# Altium PCB iTOP4412_main_Clasics_v3_2.PcbDoc (part 5 of 7)
Units mil, origin at the board's own origin, x right, y up, seen from the top; angles counter-clockwise.
Board outline 4331.71 x 7481.31 mil, 2 copper layers (TOP, BOTTOM), stack 10.4 mil thick; 260 components, 380 nets, 1380 pads, 1110 vias.
Unrouted connection lines stored in the file: 1.
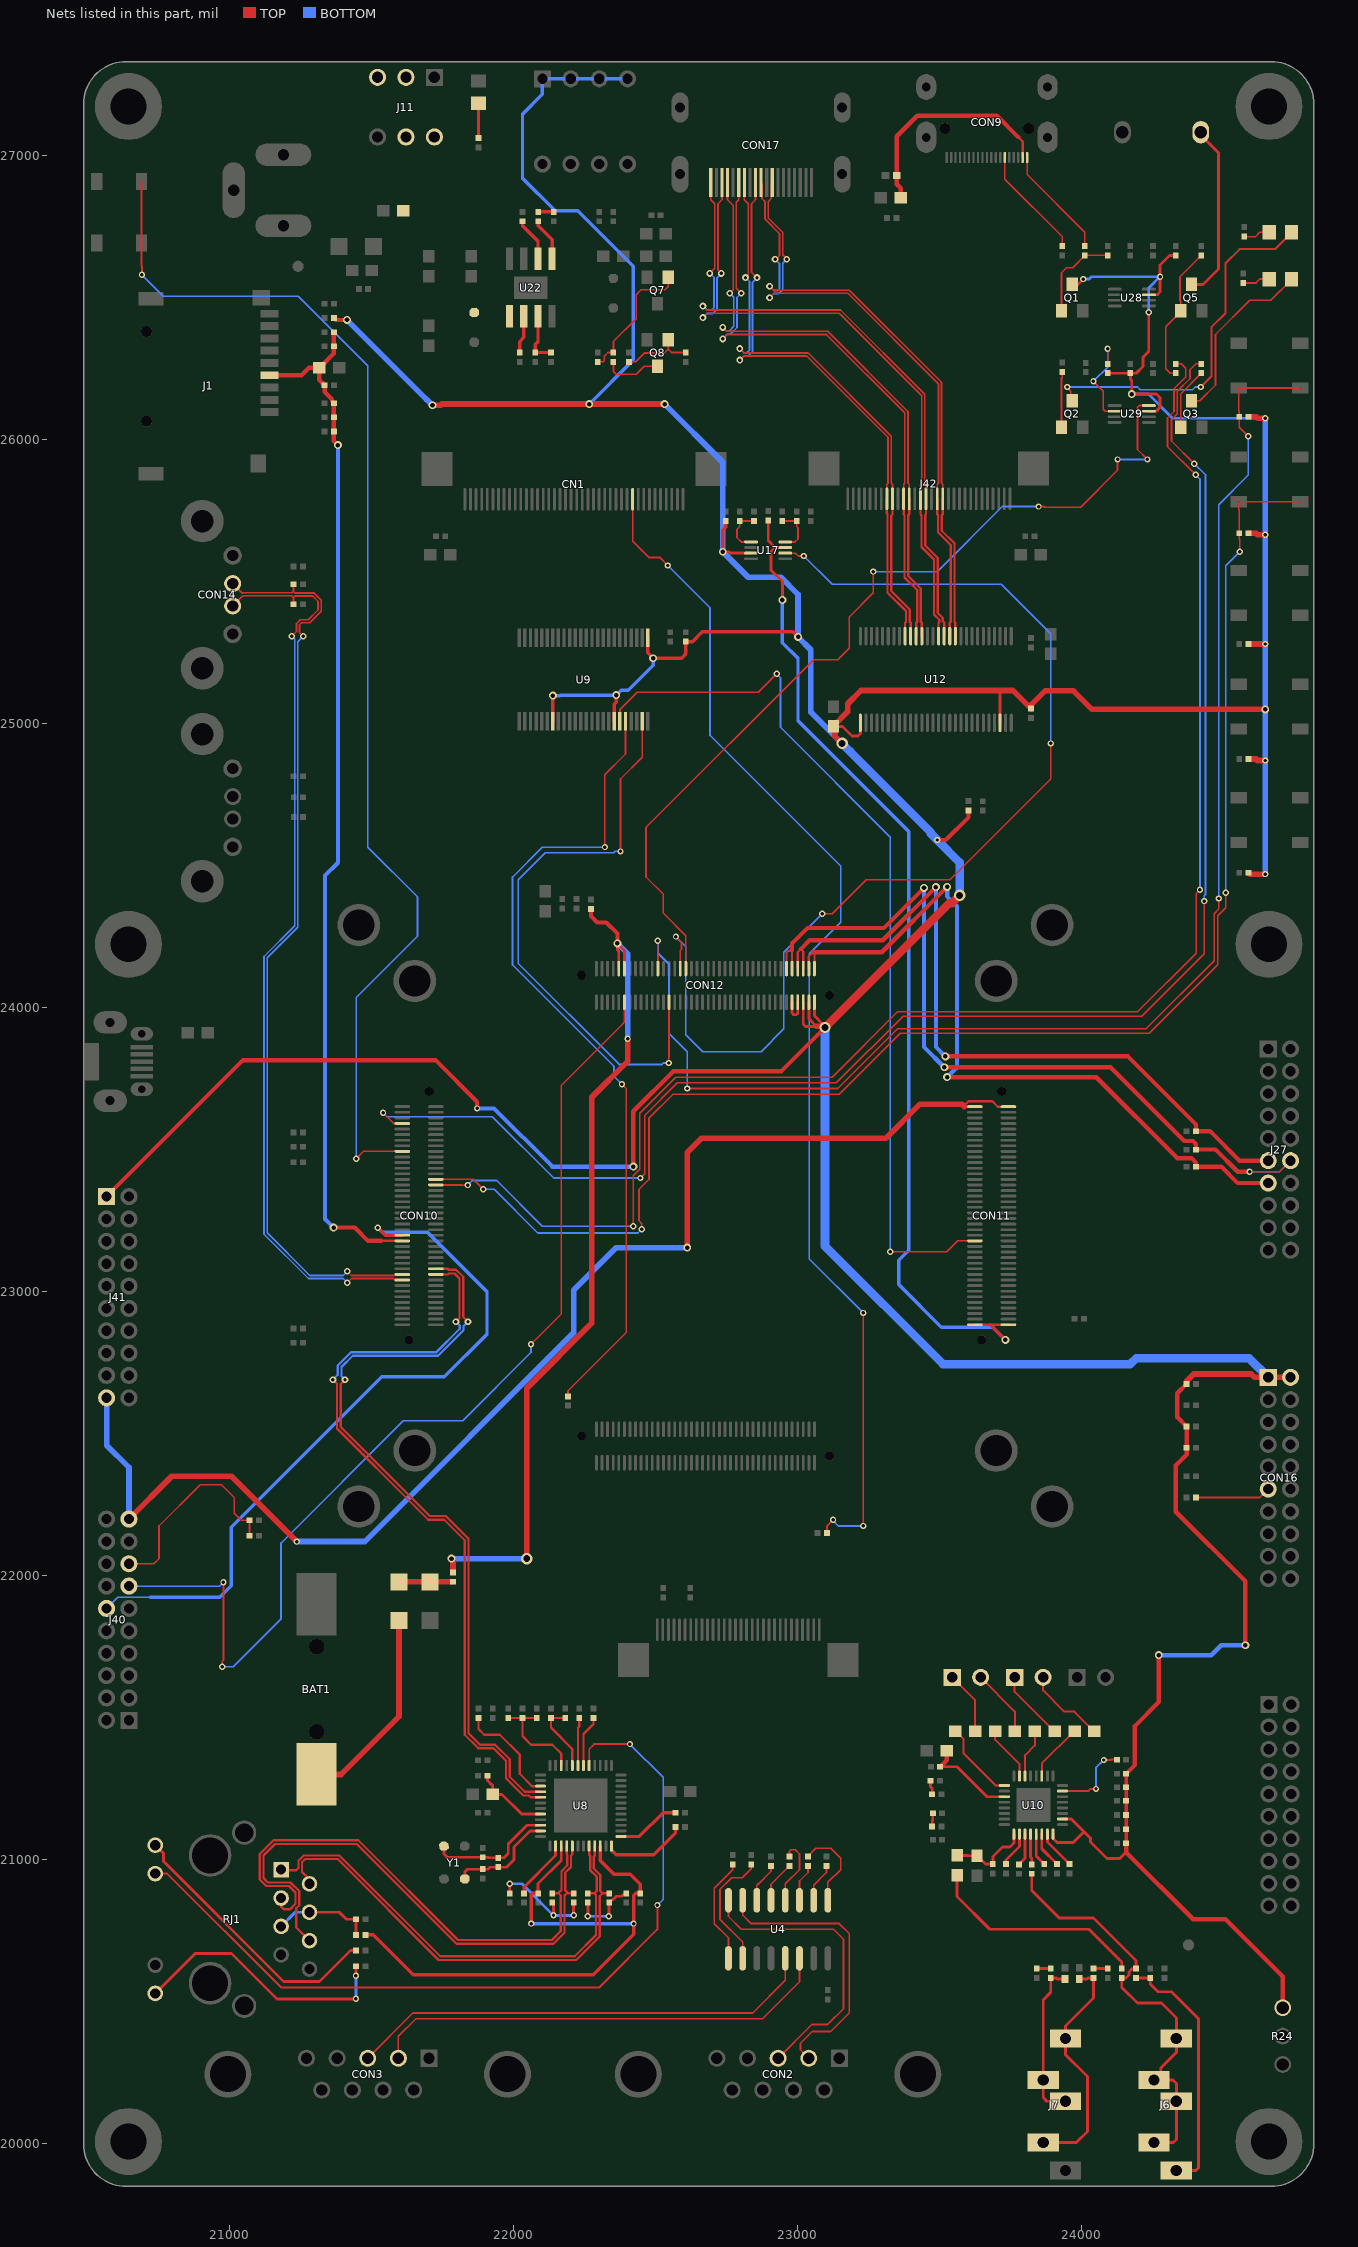
[diagram p5: the nets of this part, all layers, seen from the top]

## Via types
v1: diameter 22, hole 12, TOP to BOTTOM, 637 vias
v2: diameter 28, hole 16, TOP to BOTTOM, 350 vias
v3: diameter 24, hole 12, TOP to BOTTOM, 111 vias
v4: diameter 40, hole 24, TOP to BOTTOM, 12 vias

## Nets (pads, with @x,y where several pads share a name; then routed paths per layer and width w, separated by ;. In a path a pad name is that pad's centre, name@x,y a point inside that pad or via, vN(x,y) a via of type N, cw(c..) or ccw(c..) an arc to the next point about the centre after c; other vN are vias at no path point) (continued)
MD_WAKEUP_AP: CON12.69 J40.13 | length 3709.8
  TOP w6: v1(20975.42,21679.57) 20975.42,21698.57 20979.85,21703.01 v1(20979.85,21977.57) ; v1(22062.85,22815.57) 22168.85,22921.57 22168.85,23726.14 22379.72,23937 22391.4,23949.12 CON12.69@22391.4,24019.86
  BOTTOM w6: J40.13@20647.22,21963.68 20965.96,21963.68 v1(20979.85,21977.57) ; v1(20975.42,21679.57) 21013.85,21679.57 21182.85,21848.57 21182.85,22115.57 21612.85,22545.57 21821.85,22545.57 22062.85,22786.57 v1(22062.85,22815.57)
MIC_N: C55.2 J6.5 R77.1 | length 898.9
  TOP w10: C55.2@24192.85,20584.07 R77.1@24242.85,20584.07 24242.85,20562.57 24269.85,20535.57 24317.85,20535.57 24412.85,20440.57 24412.85,19915.88 24402.94,19905.96 J6.5@24334.82,19905.96
MIC_P: C55.1 CB3.1 J6.1 J6.2 J6.3 J6.4 R76.2 | length 1502.1
  TOP w10: CB3.1@23825.85,20951.07 23825.85,20892.57 23922.85,20795.57 24042.85,20795.57 24192.85,20645.57 C55.1@24192.85,20617.07 24191.35,20615.57 24177.85,20615.57 24167.85,20605.57 24167.85,20594.51 24157.42,20584.07 R76.2@24142.85,20584.07 24142.85,20550.57 24197.85,20495.57 24282.85,20495.57 24334.82,20443.6 J6.1@24334.82,20370.53 24334.82,20322.54 24279.71,20267.42 J6.3@24279.71,20224.86 ; J6.2@24256.08,20004.39 24324.2,20004.39 24334.82,20015.01 J6.4@24334.82,20150.06 24334.82,20212.24 24322.2,20224.86 J6.3@24279.71,20224.86 ; J6.3@24256.08,20224.86 J6.3@24279.71,20224.86
MICBIAS1: FB10.2 R76.1 | length 773.8
  TOP w10: FB10.2@23562.85,20945.57 23562.85,20870.57 23677.85,20755.57 24027.85,20755.57 24142.85,20640.57 R76.1@24142.85,20617.07
MOTOR_PWM: CON10.52 R22.2 | length 5547.8
  TOP w6: CON10.52@21728.01,23376.17 21820.26,23376.17 21820.85,23375.57 v1(21839.85,23375.57) ; v1(22422.85,23230.57) 22422.85,23408.04 22445.85,23431.04 22445.85,23628.57 22572.85,23755.57 23122.85,23755.57 23352.85,23985.57 24197.85,23985.57 24404.42,24192.13 24404.42,24402.13 v1(24417.85,24415.57) ; R22.2@24332.85,26267.07 24351.85,26267.07 24367.85,26251.07 24367.85,26220.57 24326.35,26179.07 24326.35,26099.07 24303.85,26076.57 24303.85,25975.57 v1(24402.85,25876.57)
  BOTTOM w6: v1(21839.85,23375.57) 21855.85,23391.57 21941.85,23391.57 22102.85,23230.57 v1(22422.85,23230.57) ; v1(24402.85,25876.57) 24417.85,25861.57 v1(24417.85,24415.57)
N59696409: FB8.2 J4.1 | length 249.2
  TOP w7: J4.1@23765.85,21642.57 23765.85,21591.61 23904.63,21452.83 FB8.2@23906.63,21452.83
N59696413: FB7.2 J3.2 | length 239.8
  TOP w7: J3.2@23645.85,21642.57 23766.63,21521.79 FB7.2@23766.63,21452.83
N61819639: CB4.2 R78.1 | length 50
  TOP w10: CB4.2@24042.85,20617.07 R78.1@24092.85,20617.07
N61819642: CB5.2 R79.1 | length 50
  TOP w10: R79.1@23842.85,20617.07 CB5.2@23892.85,20617.07
N62435982: C40.1 R43.2 RJ1.4 RJ1.5 | length 349.6
  TOP w10: RJ1.4@21282.85,20815.57 21387.85,20815.57 21412.86,20790.57 C40.1@21446.35,20790.57 R43.2@21446.35,20735.57
  BOTTOM w10: RJ1.5@21182.85,20765.57 21232.85,20815.57 RJ1.4@21282.85,20815.57
N62436086: R48.2 RJ1.9 | length 966.9
  TOP w10: RJ1.9@20739.87,21051.55 20768.5,21022.92 20768.5,20994.92 21191.85,20571.57 21317.85,20571.57 21426.85,20680.57 R48.2@21446.35,20680.57
N62436109: R32.1 RJ1.12 | length 946.2
  TOP w10: RJ1.12@20739.87,20529.59 20880.84,20670.57 21007.85,20670.57 21167.85,20510.57 v1(21446.35,20510.57) ; v1(21446.35,20592.07) R32.1@21446.35,20625.57
  BOTTOM w10: v1(21446.35,20510.57) v1(21446.35,20592.07)
N62514591: FB6.2 J3.1 | length 223.2
  TOP w7: J3.1@23545.85,21642.57 23626.63,21561.79 FB6.2@23626.63,21452.83
N62514656: FB9.2 J4.2 | length 286.3
  TOP w7: J4.2@23865.85,21642.57 23865.85,21596.57 23940.85,21521.57 23975.89,21521.57 24044.63,21452.83 FB9.2@24046.63,21452.83
N62530469: R33.1 U8.2 | length 212.9
  TOP w10: R33.1@22037.85,20882.07 22037.85,20903.57 22149.27,21014.99 U8.2@22149.27,21048.84
N62538255: C35.2 R30.1 R40.1 U8.34 | length 367.1
  TOP w8: R30.1@21982.85,21499.07 R40.1@22032.85,21499.07 ; C35.2@22082.85,21499.07 R40.1@22032.85,21499.07 ; U8.34@22168.96,21332.3 22168.96,21374.47 22137.85,21405.57 22062.85,21405.57 22032.85,21435.57 R40.1@22032.85,21499.07
N62538298: R31.1 R45.1 U8.32 | length 248
  TOP w8: R31.1@22182.85,21499.07 R45.1@22132.85,21499.07 22132.85,21465.57 22208.33,21390.1 U8.32@22208.33,21332.3
N62539930: C36.1 R47.1 U8.47 Y1.1 | length 377.3
  TOP w10: Y1.1@21829.39,20932.89 21829.39,20957.11 21839.35,20967.07 C36.1@21892.85,20967.07 21911.85,20967.07 21918.85,20974.07 R47.1@21947.85,20974.07 21976.35,20974.07 22002.85,21000.57 22002.85,21045.57 22059.27,21101.99 U8.47@22096.12,21101.99
N62539932: C37.1 R47.2 U8.46 Y1.3 | length 440.2
  TOP w10: Y1.3@21756.31,21048.25 21756.31,21020.61 21767.85,21009.07 C37.1@21892.85,21009.07 21911.85,21009.07 21913.85,21007.07 R47.2@21947.85,21007.07 21967.85,21007.07 21982.52,21021.74 21982.52,21055.24 22048.96,21121.67 U8.46@22096.12,21121.67
N62559580: C29.2 R34.2 R35.2 | length 395.1
  TOP w10: C29.2@21987.85,20882.07 v1(21987.85,20915.57) ; R34.2@22137.85,20849.07 22141.85,20845.07 v1(22141.85,20804.57) ; v1(22212.85,20804.57) R35.2@22212.85,20849.07
  BOTTOM w10: v1(21987.85,20915.57) 22030.85,20915.57 v1(22141.85,20804.57) v1(22212.85,20804.57)
N62559584: C28.2 R37.2 R38.2 | length 243.1
  TOP w10: v1(22262.85,20801.57) R37.2@22262.85,20849.07 ; v1(22336.85,20801.57) 22336.85,20822.57 22337.85,20823.57 R38.2@22337.85,20849.07 22349.35,20860.57 22352.41,20860.57 22363.41,20871.57 22380.85,20871.57 22391.35,20882.07 C28.2@22397.85,20882.07
  BOTTOM w10: v1(22262.85,20801.57) v1(22336.85,20801.57)
N63047643: C26.1 C27.1 U8.44 | length 269.7
  TOP w10: C26.1@21909.35,21295.57 21909.35,21279.07 21927.85,21260.57 C27.1@21927.85,21230.57 21960.85,21230.57 22030.38,21161.04 U8.44@22096.12,21161.04
N63258448: LED1.1 R6.1 | length 122.2
  TOP w10: R6.1@21877.85,27062.07 LED1.1@21877.85,27184.23
N63770948: R150.2 U29.6 | length 345.1
  TOP w6: v1(24042.85,26205.57) 24077.85,26170.57 24077.85,26106.76 24084.21,26100.4 U29.6@24117.81,26100.4 ; R150.2@24092.85,26267.07 v1(24092.85,26320.57)
  BOTTOM w6: v1(24042.85,26205.57) 24092.85,26255.57 v1(24092.85,26320.57)
N63771591: Q1.1 R152.1 R154.2 | length 321.8
  TOP w6: Q1.1@23930.35,26454.32 23930.35,26588.07 23947.85,26605.57 23969.85,26605.57 24012.85,26648.57 R152.1@24012.85,26649.07 R154.2@24092.85,26649.07
N63771709: CON9.19 R152.2 | length 395.9
  TOP w6: 23809.58,26955.57 23809.58,26933.84 24012.85,26730.57 R152.2@24012.85,26682.07 ; 23809.59,26955.58 CON9.19@23809.59,26993.78
N63771766: C106.1 CON9.18 FB17.2 | length 789.4
  TOP w8: 23777.85,27065.57 23793.83,27049.59 23793.83,27023.78 CON9.18@23793.84,26993.78
  TOP w15: C106.1@23364.85,26851.57 23364.85,26885.07 23350.54,26899.38 FB17.2@23350.54,26930.57 23350.54,27068.26 23422.85,27140.57 23702.85,27140.57 23777.85,27065.57
N63771954: CON9.14 R151.2 | length 395.4
  TOP w6: CON9.14@23730.85,26993.78 23730.84,26917.58 23932.85,26715.57 R151.2@23932.85,26682.07
N63778620: CON3.3 U4.13 | length 1661.2
  TOP w6: CON3.3@21487.85,20301.48 21646.95,20460.57 22842.85,20460.57 22957.85,20575.57 U4.13@22957.85,20653.21
N63778626: CON3.2 U4.14 | length 1651.3
  TOP w6: CON3.2@21595.73,20301.48 21595.73,20378.44 21657.85,20440.57 22877.85,20440.57 23007.85,20570.57 U4.14@23007.85,20653.21
N63779049: C15.2 U4.5 | length 148.1
  TOP w6: U4.5@22907.85,20857.93 22907.85,20913.57 22972.85,20978.57 C15.2@22972.85,20979.07
N63779051: C15.1 U4.4 | length 245.1
  TOP w6: U4.4@22957.85,20857.93 22957.85,20915.57 23007.85,20965.57 23007.85,21020.57 22992.85,21035.57 22977.85,21035.57 22972.85,21030.57 C15.1@22972.85,21012.07
N63779085: C14.1 U4.3 | length 133.6
  TOP w6: U4.3@23007.85,20857.93 23007.85,20925.57 23037.85,20955.57 C14.1@23037.85,20979.07
N63779087: C14.2 U4.1 | length 307.9
  TOP w6: C14.2@23037.85,21012.07 23037.85,21012.57 23065.85,21040.57 23117.85,21040.57 23152.85,21005.57 23152.85,20965.57 23107.85,20920.57 U4.1@23107.85,20857.93
N63779244: C12.2 U4.2 | length 139.8
  TOP w6: U4.2@23057.85,20857.93 23057.85,20910.57 23102.85,20955.57 C12.2@23102.85,20979.07
N63779250: C13.1 U4.6 | length 142.2
  TOP w6: U4.6@22857.85,20857.93 22857.85,20910.24 22862.19,20914.57 22862.85,20914.57 22907.85,20959.57 C13.1@22907.85,20979.07
N63787841: C52.1 U10.7 | length 138
  TOP w10: U10.7@23880.84,21090.47 23880.84,21063.08 23940.58,21003.35 23941.08,21003.35 23958.85,20985.57 C52.1@23958.85,20985.07
N63787846: C51.1 U10.6 | length 127.6
  TOP w10: U10.6@23861.16,21090.47 23861.16,21039.27 23914.85,20985.57 C51.1@23914.85,20985.07
N63787851: C50.1 U10.5 | length 117.2
  TOP w10: U10.5@23841.47,21090.47 23841.47,21013.95 23869.85,20985.57 C50.1@23869.85,20985.07
N63787856: C49.1 U10.2 | length 125.1
  TOP w10: C49.1@23734.85,20985.07 23734.85,20999.57 23782.42,21047.13 U10.2@23782.42,21090.47
N63787861: C48.1 U10.3 | length 115.2
  TOP w10: C48.1@23780.85,20984.07 23780.85,20984.57 23802.1,21005.82 U10.3@23802.1,21090.47
N63788346: C53.1 C54.1 FB10.1 U10.1 | length 289.9
  TOP w10: FB10.1@23562.85,21015.57 23600.85,21015.57 23601.85,21014.57 C53.1@23632.85,21014.57 23662.35,20985.07 C54.1@23688.85,20985.07 23688.85,21011.57 23722.85,21045.57 23748.83,21045.57 23762.73,21059.47 U10.1@23762.73,21090.47
N63789161: C46.1 C47.1 U10.27 | length 336
  TOP w10: C47.1@23503.85,21327.57 23562.85,21327.57 23668.06,21222.36 U10.27@23729.27,21222.36
  TOP w15: C47.1@23503.35,21327.57 23503.85,21327.57 23523.4,21347.12 23523.4,21347.62 23526.85,21351.07 C46.1@23526.85,21384.57
N63848469: CON2.3 U4.8 | length 1042.6
  TOP w6: U4.8@22757.85,20857.93 22757.85,20800.57 22802.85,20755.57 23127.85,20755.57 23162.85,20720.57 23162.85,20475.57 23107.85,20420.57 23051.95,20420.57 CON2.3@22932.85,20301.48
N63848478: CON2.2 U4.7 | length 1014.3
  TOP w6: U4.7@22807.85,20857.93 22807.85,20805.63 22837.91,20775.57 23147.85,20775.57 23182.85,20740.57 23182.85,20460.57 23117.85,20395.57 23052.85,20395.57 23011.74,20354.45 23011.74,20330.47 CON2.2@23040.73,20301.48
N63947483: CB4.1 J7.1 J7.2 L2.1 | length 836.3
  TOP w10: J7.2@23866.08,20004.39 23982.67,20004.39 24021.85,20043.57 24021.85,20236.57 23944.82,20313.6 J7.1@23944.82,20370.53 23944.82,20415.03 24042.85,20513.06 CB4.1@24042.85,20584.07 24023.85,20584.07 24020.67,20580.88 L2.1@23992.85,20580.88
N63947498: CB5.1 J7.3 J7.4 L3.1 | length 567.8
  TOP w10: L3.1@23942.86,20580.88 23915.05,20580.88 23911.85,20584.07 CB5.1@23892.85,20584.07 23892.85,20533.57 23866.08,20506.8 J7.3@23866.08,20224.86 23866.08,20162.68 23878.71,20150.06 J7.4@23944.82,20150.06
N64018538: CB3.2 U10.4 | length 108.1
  TOP w10: U10.4@23821.79,21090.47 23821.79,21009.64 23825.85,21005.57 CB3.2@23825.85,20984.07
N64018809: R72.2 U10.15 | length 280.5
  TOP w7: U10.15@23933.99,21242.05 24024.83,21242.05 24032.35,21249.57 v1(24051.85,21249.57) ; v1(24079.85,21351.57) 24104.35,21351.57 24105.35,21352.57 R72.2@24125.35,21352.57
  BOTTOM w7: v1(24051.85,21249.57) 24051.85,21323.57 v1(24079.85,21351.57)
N64118847: R20.2 U4.9 | length 378.5
  TOP w6: U4.9@22757.85,20653.21 22757.85,20725.57 22707.85,20775.57 22707.85,20899.57 22772.85,20964.57 R20.2@22772.85,20984.07
N64118881: R21.2 U4.10 | length 431.5
  TOP w6: U4.10@22807.85,20653.21 22807.85,20710.57 22727.85,20790.57 22727.85,20895.57 22769.1,20936.82 22806.6,20936.82 22837.85,20968.07 R21.2@22837.85,20984.07
N64285563: R36.2 U8.30 | length 181.3
  TOP w8: U8.30@22247.7,21332.3 22247.7,21443.41 22282.85,21478.57 R36.2@22282.85,21499.07
N64285566: R39.2 U8.13 | length 226.3
  TOP w12: U8.13@22379.59,21082.3 22444.59,21082.3 22527.85,21165.57 R39.2@22571.35,21165.57
N64285571: R41.2 U8.12 | length 300.5
  TOP w12: U8.12@22346.12,21048.84 22346.12,21033.84 22362.39,21017.57 22495.35,21017.57 22571.35,21093.57 R41.2@22571.35,21115.57
N64285583: R42.2 U8.31 | length 168.8
  TOP w8: U8.31@22228.01,21332.3 22228.01,21465.73 22232.85,21470.57 R42.2@22232.85,21499.07
N64285586: R44.2 U8.39 | length 379.8
  TOP w8: R44.2@21877.85,21499.07 21877.85,21460.57 21897.85,21440.57 21952.85,21440.57 22022.85,21370.57 22022.85,21302.74 22066.12,21259.47 U8.39@22096.12,21259.47
N64456718: LED2.1 R105.1 | length 94.1
  TOP w6: R105.1@24573.85,26715.07 24613.39,26715.07 24628.89,26730.57 LED2.1@24661.52,26730.57
N64456720: LED2.2 Q2.3 | length 1285.1
  TOP w6: v1(23950.35,26185.57) 23950.35,26183.07 23962.85,26170.57 23962.85,26142.32 Q2.3@23968.35,26136.82
  TOP w7: v1(24420.85,26185.57) 24457.85,26222.57 24457.85,26395.57 24507.85,26445.57 24507.85,26620.57 24557.85,26670.57 24682.22,26670.57 24740.26,26728.6 LED2.2@24740.26,26730.57
  BOTTOM w6: v1(23950.35,26185.57) 24197.85,26185.57 24207.85,26175.57 24391.85,26175.57 24401.85,26185.57 v1(24420.85,26185.57)
N64456880: LED3.1 R106.1 | length 97.3
  TOP w6: R106.1@24569.85,26552.07 24615.39,26552.07 24628.89,26565.57 LED3.1@24661.52,26565.57
N64456888: LED3.2 Q3.3 | length 634.9
  TOP w6: Q3.3@24388.35,26136.82 24417.04,26136.82 24472.85,26192.64 24472.85,26370.57 24592.85,26490.57 24667.22,26490.57 24740.26,26563.6 LED3.2@24740.26,26565.57
N64479193: Q5.1 R22.1 R23.1 | length 494.5
  TOP w6: R22.1@24332.85,26234.07 24313.85,26234.07 24297.85,26250.07 24297.85,26397.88 24350.35,26450.38 Q5.1@24350.35,26454.32 24350.35,26486.94 24347.85,26489.44 24347.85,26573.57 24422.85,26648.57 R23.1@24422.85,26649.07
N64479733: PZ1.- Q5.3 | length 624.5
  TOP w10: Q5.3@24388.35,26546.82 24429.1,26546.82 24482.85,26600.57 24482.85,27010.57 24450.88,27042.54 24450.88,27042.66 24420.81,27072.73 PZ1.-@24420.81,27082.57
N64486785: D1.2 D3.2 R13.2 | length 190.2
  TOP w20: D3.2@21597.85,21978.56 D1.2@21707.85,21978.56 21768.34,21978.56 21768.85,21979.07 R13.2@21787.85,21979.07
N64486788: BAT1.1 D3.1 | length 712.5
  TOP w20: BAT1.1@21307.85,21300.57 21393.85,21300.57 21597.85,21504.57 D3.1@21597.85,21842.58
N64619122: Q2.1 R1.1 | length 195.8
  TOP w6: Q2.1@23930.35,26044.32 23930.35,26217.07 23932.85,26219.57 R1.1@23932.85,26239.07
N64619124: Q3.1 R2.1 | length 219.8
  TOP w6: Q3.1@24350.35,26044.32 24350.35,26161.07 24422.85,26233.57 R2.1@24422.85,26234.07
N64621021: J11.3 J11.6
N64621644: F1.1 J11.2 J11.5
N64648013: CON16.11 R65.2 | length 266.5
  TOP w6: R65.2@24404.35,22275.57 24586.85,22275.57 24586.92,22275.5 24628.78,22275.5 CON16.11@24658.48,22305.2
N64716471: C148.1 R50.1 U17.8 | length 164.9
  TOP w6: C148.1@22947.85,25714.07 R50.1@22997.85,25714.07 22997.85,25694.57 23002.85,25689.57 23002.85,25650.57 22992.38,25640.1 U17.8@22957.89,25640.1
N64716477: C149.1 R49.1 U17.1 | length 169
  TOP w6: U17.1@22837.81,25640.1 22803.32,25640.1 22787.85,25655.57 22787.85,25684.57 22797.85,25694.57 C149.1@22797.85,25714.07 R49.1@22847.85,25714.07
N64855559: R25.1 U9.44 | length 2920
  TOP w6: R25.1@22192.85,22632.07 22192.85,22651.57 22397.85,22856.57 22397.85,23715.57 v1(22382.85,23730.57) ; v1(22322.85,24565.57) 22322.85,24820.57 22395.5,24893.21 U9.44@22395.5,25007.93
  BOTTOM w6: v1(22322.85,24565.57) 22102.85,24565.57 21997.85,24460.57 21997.85,24150.57 22354.85,23793.57 22354.85,23758.57 v1(22382.85,23730.57)
N64855589: CN1.31 R51.2 | length 4237.7
  TOP w6: CN1.31@22420.59,25790.33 22420.59,25642.83 22477.85,25585.57 22516.14,25585.57 v1(22544.5,25557.21) ; v1(23232.85,22175.57) v1(23232.85,22925.57)
  TOP w7: R51.2@23104.35,22150.57 23104.35,22175.2 v1(23126.29,22197.13)
  BOTTOM w6: v1(22544.5,25557.21) 22692.85,25408.86 22692.85,24958.86 23152.85,24498.86 23152.85,24300.57 23042.85,24190.57 23042.85,23115.57 v1(23232.85,22925.57) ; v1(23126.29,22197.13) 23126.29,22194.13 23144.85,22175.57 v1(23232.85,22175.57)
N64871613: C95.1 R3.1 | length 55
  TOP w12: R3.1@22087.85,26802.07 C95.1@22142.85,26802.07
N64895402: R133.1 U22.6 | length 133.4
  TOP w12: R133.1@22022.85,26307.07 22022.85,26345.57 22037.35,26360.07 U22.6@22037.35,26434.51
N64896281: C96.1 U22.2 | length 155
  TOP w12: C96.1@22032.85,26769.07 22032.85,26753.57 22087.35,26699.07 U22.2@22087.35,26636.63
N64899462: L7.1 U22.5
N64899626: R3.2 U22.1 | length 152.9
  TOP w12: R3.2@22087.85,26769.07 22087.85,26753.57 22137.35,26704.07 U22.1@22137.35,26636.63
N64900831: R131.2 R135.1 U22.7 | length 186.4
  TOP w12: U22.7@22087.35,26434.51 22087.35,26345.07 22077.85,26335.57 R131.2@22077.85,26307.07 R135.1@22132.85,26307.07
N64946554: Q8.1 R7.1 R11.1 | length 256.4
  TOP w6: R11.1@22407.85,26274.07 22431.35,26274.07 22462.85,26305.57 22532.85,26305.57 22542.85,26315.57 22542.85,26315.95 22545.85,26318.95 ; Q8.1@22545.85,26351.57 22545.85,26318.95 ; R7.1@22607.85,26307.07 22557.73,26307.07 22545.85,26318.95
N64946809: Q7.1 R8.2 R9.1 | length 472.1
  TOP w6: R8.2@22297.85,26274.07 22316.85,26274.07 22321.13,26278.34 22321.13,26294.34 22333.85,26307.07 R9.1@22352.85,26307.07 22352.85,26345.57 22432.85,26425.57 22432.85,26510.57 22449.85,26527.57 22534.48,26527.57 22545.85,26538.95 Q7.1@22545.85,26571.57
N64946818: Q8.3 R9.2 | length 204.4
  TOP w6: R9.2@22352.85,26274.07 22352.85,26240.57 22362.85,26230.57 22432.85,26230.57 22461.35,26259.07 Q8.3@22507.85,26259.07
N64971080: J40.15 R27.2 R28.2 | length 745.7
  TOP w6: J40.15@20647.22,22042.42 20734.7,22042.42 20752.85,22060.57 20752.85,22175.57 20897.85,22320.57 20972.85,22320.57 21017.85,22275.57 21017.85,22220.57 21042.85,22195.57 R28.2@21071.35,22195.57 R27.2@21071.35,22140.57
N596957881: CB1.2 R73.1 | length 50.5
  TOP w10: R73.1@23469.35,21278.57 23469.35,21257.57 23475.35,21251.57 CB1.2@23475.35,21230.57
N596958051: CB2.2 R74.1 | length 46.8
  TOP w10: R74.1@23475.35,21117.57 23475.35,21138.57 23477.35,21140.57 CB2.2@23477.35,21163.57
PWRDN_VCM: CON11.50 U9.43 | length 3160.3
  TOP w6: U9.43@22375.8,25007.93 22375.8,25049.43 22436.94,25110.57 22862.85,25110.57 v1(22927.85,25175.57) ; v1(23327.85,23140.57) 23525.88,23140.57 23564.63,23179.31 CON11.50@23625.65,23179.31
  BOTTOM w6: v1(22927.85,25175.57) 22941.29,25162.13 22941.29,24987.13 23327.85,24600.57 v1(23327.85,23140.57)
PWRON: CON10.63 | length 4383.5
  TOP w6: 20691.59,26908.84 20691.59,26692.3 20691.59,26611.83 20692.85,26610.57 v1(20692.85,26580.57) ; v1(21447.21,23468.57) 21472.92,23494.28 CON10.63@21609.9,23494.28
  BOTTOM w6: v1(20692.85,26580.57) 20767.85,26505.57 21242.85,26505.57 21487.85,26260.57 21487.85,24565.57 21662.85,24390.57 21662.85,24251.57 21447.21,24035.93 v1(21447.21,23468.57)
RX+: R34.1 RJ1.3 U8.4 | length 1945.9
  TOP w8: RJ1.3@21182.85,20865.57 21182.85,20835.57 21192.85,20825.57 21214.37,20825.57 21233.85,20845.06 21233.85,20884.57 21210.85,20907.57 21130.85,20907.57 21107.85,20930.57 21107.85,21020.57 21155.85,21068.57 21454.85,21068.57 21805.85,20717.57 22136.38,20717.57 22167.85,20749.04 22167.85,20874.57 22160.35,20882.07 22157.85,20882.07 ; R34.1@22137.85,20882.07 22157.85,20882.07 ; U8.4@22188.64,21048.84 22188.64,21018.84 22190.64,21016.84 22190.64,20980.57 22169.85,20959.78 22169.85,20894.07 22157.85,20882.07
RX-: R35.1 RJ1.6 U8.5 | length 2008.9
  TOP w8: RJ1.6@21282.85,20715.57 21236.34,20762.09 21236.34,20829.16 21246.85,20839.67 21246.85,20889.96 21216.24,20920.57 21136.24,20920.57 21120.85,20935.96 21120.85,21015.19 21161.24,21055.57 21449.47,21055.57 21800.47,20704.57 22141.77,20704.57 22180.85,20743.66 22180.85,20874.57 22188.35,20882.07 22194.85,20882.07 ; U8.5@22208.33,21048.84 22208.33,21018.84 22203.64,21014.15 22203.64,20975.19 22182.85,20954.4 22182.85,20894.07 22194.85,20882.07 ; R35.1@22212.85,20882.07 22194.85,20882.07
RXCLK+: CON17.10 J42.13 U12.39 | length 2120.3
  TOP w6: CON17.10@22872.85,26904.84 22876.03,26901.67 22876.03,26849.11 22886.85,26838.28 22886.85,26776.01 22937.85,26725.01 22937.85,26647.57 22925.85,26635.57 v3(22922.35,26635.57) ; v3(22902.85,26540.57) 22916.85,26526.57 23183.41,26526.57 23508.15,26201.83 23508.15,25847.13 23512.49,25842.79 J42.13@23512.49,25791.89
  TOP w8: J42.13@23512.49,25791.89 23512.49,25737.57 23508.85,25733.93 23508.85,25679.57 23553.41,25635.01 23553.41,25358.58 23556.75,25355.24 U12.39@23556.75,25308.44
  BOTTOM w6: v3(22902.85,26540.57) 22917.85,26525.57 22930.85,26525.57 22937.85,26532.57 22937.85,26620.07 v3(22922.35,26635.57)
RXCLK-: CON17.12 J42.14 U12.40 | length 2117.4
  TOP w6: v3(22902.85,26500.07) 22918.36,26515.57 23178.85,26515.57 23497.15,26197.28 23497.15,25847.13 23492.81,25842.79 J42.14@23492.81,25791.89 ; CON17.12@22912.22,26904.84 22909.05,26901.67 22909.05,26849.11 22897.85,26837.91 22897.85,26780.57 22948.85,26729.57 22948.85,26650.57 22962.85,26636.57 v3(22962.85,26635.57)
  TOP w8: J42.14@23492.81,25791.89 23492.81,25737.57 23495.85,25734.52 23495.85,25674.19 23540.41,25629.63 23540.41,25358.58 23537.07,25355.24 U12.40@23537.07,25308.44
  BOTTOM w6: v3(22902.85,26500.07) 22917.36,26514.57 22935.41,26514.57 22948.85,26528.01 22948.85,26621.57 v3(22962.85,26635.57)
RXIN0+: CON17.7 J42.22 U12.47 | length 2047
  TOP w6: v3(22797.85,26320.57) 22812.85,26305.57 23037.85,26305.57 23330.98,26012.44 23330.98,25847.13 23335.33,25842.79 J42.22@23335.33,25791.89 ; CON17.7@22813.8,26904.84 22813.8,26844.42 22827.98,26830.24 22827.98,26580.7 v3(22817.85,26570.57)
  TOP w8: J42.22@23335.33,25791.89 23335.33,25737.57 23330.85,25733.1 23330.85,25466.96 23395.93,25401.88 23395.93,25358.58 23399.27,25355.24 U12.47@23399.27,25308.44
  BOTTOM w6: v3(22797.85,26320.57) 22812.85,26305.57 22822.85,26305.57 22831.85,26314.57 22831.85,26556.82 22818.1,26570.57 v3(22817.85,26570.57)
RXIN0-: CON17.9 J42.23 U12.48 | length 2049.9
  TOP w6: v3(22797.85,26280.07) 22807.36,26289.57 22807.83,26289.57 22812.83,26294.57 23033.3,26294.57 23319.98,26007.88 23319.98,25847.13 23315.64,25842.79 J42.23@23315.64,25791.89 ; CON17.9@22853.17,26904.84 22853.17,26844.42 22838.98,26830.24 22838.98,26589.94 v3(22858.36,26570.57)
  TOP w8: J42.23@23315.64,25791.89 23315.64,25740.7 23317.85,25738.49 23317.85,25461.57 23382.93,25396.5 23382.93,25358.58 23379.59,25355.24 U12.48@23379.59,25308.44
  BOTTOM w6: v3(22797.85,26280.07) 22812.36,26294.57 22827.41,26294.57 22842.85,26310.01 22842.85,26554.82 22858.36,26570.32 v3(22858.36,26570.57)
RXIN1+: CON17.4 J42.19 U12.45 | length 2164.5
  TOP w6: v3(22737.85,26395.57) 22751.85,26381.57 23107.41,26381.57 23390.04,26098.94 23390.04,25847.13 23394.38,25842.79 J42.19@23394.38,25791.89 ; CON17.4@22754.74,26904.84 22754.74,26844.42 22774.35,26824.81 22774.35,26527.57 v3(22762.35,26515.57)
  TOP w8: J42.19@23394.38,25791.89 23394.38,25737.57 23391.04,25734.23 23391.04,25520.39 23435.3,25476.13 23435.3,25358.58 23438.64,25355.24 U12.45@23438.64,25308.44
  BOTTOM w6: v3(22737.85,26395.57) 22751.11,26382.31 22759.6,26382.31 22776.85,26399.57 22776.85,26501.07 v3(22762.35,26515.57)
RXIN1-: CON17.6 J42.20 U12.46 | length 2164.3
  TOP w6: v3(22737.85,26355.07) 22753.36,26370.57 23102.85,26370.57 23379.04,26094.38 23379.04,25901.39 ; CON17.6@22794.11,26904.84 22794.11,26844.42 22785.35,26835.66 22785.35,26533.07 v3(22802.85,26515.57) ; J42.20@23374.7,25791.89 23374.7,25842.79 23379.04,25847.13 23379.04,25901.3
  TOP w8: J42.20@23374.7,25791.89 23374.7,25737.57 23378.04,25734.23 23378.04,25515 23422.3,25470.74 23422.3,25358.58 23418.96,25355.24 U12.46@23418.96,25308.44
  BOTTOM w6: v3(22737.85,26355.07) 22754.1,26371.31 22764.15,26371.31 22787.85,26395.01 22787.85,26500.57 v3(22802.85,26515.57)
RXIN2+: CON17.1 J42.16 U12.41 | length 2300.2
  TOP w6: v3(22667.85,26470.57) 22681.85,26456.57 23152.41,26456.57 23449.1,26159.89 23449.1,25847.13 23453.44,25842.79 J42.16@23453.44,25791.89 ; v3(22692.35,26585.57) 22709.87,26603.09 22709.87,26830.24 22695.69,26844.42 CON17.1@22695.69,26904.84
  TOP w8: J42.16@23453.44,25791.89 23453.44,25737.57 23450.85,25734.99 23450.85,25627.57 23494.85,25583.57 23494.85,25389.57 23512.85,25371.57 23512.85,25359.77 23517.38,25355.24 U12.41@23517.38,25308.44
  BOTTOM w6: v3(22667.85,26470.57) 22682.85,26455.57 22697.85,26455.57 22706.85,26464.57 22706.85,26571.07 v3(22692.35,26585.57)
RXIN2-: CON17.3 J42.17 U12.42 | length 2298.1
  TOP w6: v3(22667.85,26430.07) 22683.36,26445.57 23147.85,26445.57 23438.1,26155.33 23438.1,25847.13 23433.75,25842.79 J42.17@23433.75,25791.89 ; v3(22732.85,26585.57) 22720.87,26597.55 22720.87,26830.24 22735.06,26844.42 CON17.3@22735.06,26904.84
  TOP w8: J42.17@23433.75,25791.89 23433.75,25737.57 23437.85,25733.46 23437.85,25622.19 23481.85,25578.19 23481.85,25384.19 23499.85,25366.19 23499.85,25356.38 23497.7,25354.23 U12.42@23497.7,25308.44
  BOTTOM w6: v3(22667.85,26430.07) 22682.36,26444.57 22702.41,26444.57 22717.85,26460.01 22717.85,26570.57 v3(22732.85,26585.57)
SIM_DET: CON10.54 R15.2 | length 5324.2
  TOP w6: CON10.54@21728.01,23395.84 21859.58,23395.84 v1(21894.85,23360.57) ; v1(22452.85,23220.57) 22452.85,23239.57 22442.85,23249.57 22442.85,23360.57 22477.85,23395.57 22477.85,23610.57 22562.85,23695.57 23147.85,23695.57 23362.85,23910.57 24239.57,23910.57 24480.85,24151.86 24480.85,24323.57 24508.85,24351.57 v1(24508.85,24404.57) ; v1(24557.85,25605.57) 24557.85,25650.07 24556.35,25651.57 R15.2@24556.35,25670.57 24556.35,25751.38 24554.59,25753.15 24554.59,25781.83 24771.12,25781.83
  BOTTOM w6: v1(21894.85,23360.57) 21932.85,23360.57 22086.29,23207.13 22439.42,23207.13 v1(22452.85,23220.57) ; v1(24508.85,24404.57) 24508.85,25556.57 v1(24557.85,25605.57)
SPEED: RJ1.10 U8.29 | length 2936.2
  TOP w6: U8.29@22267.38,21332.3 22267.38,21390.1 22284.85,21407.57 v1(22410.85,21407.57)
  TOP w7: RJ1.10@20739.87,20951.55 20781.87,20951.55 21182.85,20550.57 22302.85,20550.57 22507.85,20755.57 v1(22507.85,20840.57)
  BOTTOM w6: v1(22410.85,21407.57) 22527.85,21290.57 22527.85,20860.57 v1(22507.85,20840.57)
SPKOUTLN: FB6.1 U10.25 | length 281.1
  TOP w7: FB6.1@23556.63,21452.83 23558.63,21452.83 23585.35,21426.12 23585.35,21376.08 23699.69,21261.73 U10.25@23729.27,21261.73
SPKOUTLP: FB7.1 U10.23 | length 193.2
  TOP w7: FB7.1@23696.63,21452.83 23696.63,21423.33 23782.42,21337.55 U10.23@23782.42,21295.2
SPKOUTRN: FB8.1 U10.22 | length 171.9
  TOP w7: U10.22@23802.1,21295.2 23802.1,21368.82 23836.63,21403.35 FB8.1@23836.63,21452.83
SPKOUTRP: FB9.1 U10.19 | length 206.6
  TOP w7: U10.19@23861.16,21295.2 23861.16,21339.36 23974.63,21452.83 FB9.1@23976.63,21452.83
TP1_EN: CON12.50 U17.6 | length 3911.6
  TOP w6: v1(22572.85,24250.57) 22592.85,24230.57 22592.85,24206.26 22588.25,24201.65 CON12.50@22588.25,24137.98 ; U17.6@22957.89,25600.73 22993.69,25600.73 23003.85,25590.57 v1(23022.85,25590.57) ; v1(23087.85,24330.57) 23122.85,24330.57 23242.85,24450.57 23537.85,24450.57 23892.85,24805.57 v1(23892.85,24930.57)
  BOTTOM w6: v1(22572.85,24250.57) 22607.85,24215.57 22607.85,23905.57 22667.85,23845.57 22872.85,23845.57 22952.85,23925.57 22952.85,24195.57 v1(23087.85,24330.57) ; v1(23022.85,25590.57) 23122.85,25490.57 23718.85,25490.57 23892.85,25316.57 v1(23892.85,24930.57)
TP1_INT: CON12.48 U29.4 | length 3229.6
  TOP w6: CON12.48@22607.93,24137.98 22607.93,24253.53 22527.85,24333.6 22527.85,24400.57 22467.85,24460.57 22467.85,24635.57 23057.85,25225.57 23142.85,25225.57 23182.85,25265.57 23182.85,25375.57 23267.85,25460.57 v1(23267.85,25535.57) ; v1(23849.85,25764.57) 23868.85,25764.57 23870.85,25762.57 23997.85,25762.57 24127.85,25892.57 v1(24127.85,25930.57) ; v1(24232.85,25930.57) 24197.85,25965.57 24197.85,26113.67 24204.28,26120.1 U29.4@24237.89,26120.1
  BOTTOM w6: v1(23267.85,25535.57) 23492.85,25535.57 23721.85,25764.57 v1(23849.85,25764.57) ; v1(24127.85,25930.57) v1(24232.85,25930.57)
TP_IOCTL: CON12.53 U9.47 | length 2079.4
  TOP w6: v1(22377.85,24550.57) 22377.85,24805.57 22454.54,24882.26 U9.47@22454.54,25007.93 ; v1(22547.85,23805.57) 22547.85,23825.07 22548.88,23826.1 CON12.53@22548.88,24019.86
  BOTTOM w6: v1(22377.85,24550.57) 22358.85,24550.57 22353.85,24545.57 22112.85,24545.57 22017.85,24450.57 22017.85,24155.57 22372.85,23800.57 22523.85,23800.57 22528.85,23805.57 v1(22547.85,23805.57)
TX+: R37.1 RJ1.1 U8.8 | length 1677.2
  TOP w8: RJ1.1@21182.85,20965.57 21184.86,20963.57 21235.85,20963.57 21243.85,20971.57 21243.85,20996.57 21262.85,21015.57 21387.85,21015.57 21742.85,20660.57 22216.85,20660.57 22291.85,20735.57 22291.85,20876.07 22285.85,20882.07 ; R37.1@22262.85,20882.07 22285.85,20882.07 ; U8.8@22267.38,21048.84 22267.38,21018.17 22270.85,21014.7 22270.85,20964.19 22293.85,20941.19 22293.85,20890.07 22285.85,20882.07
TX-: R38.1 RJ1.2 U8.9 | length 1680.3
  TOP w8: RJ1.2@21282.85,20915.57 21282.85,20931.57 21256.85,20957.57 21256.85,20991.19 21268.24,21002.57 21382.47,21002.57 21737.47,20647.57 22222.24,20647.57 22304.85,20730.19 22304.85,20872.07 22314.85,20882.07 ; U8.9@22287.07,21048.84 22287.07,21014.52 22283.85,21011.31 22283.85,20969.57 22306.85,20946.57 22306.85,20890.07 22314.85,20882.07 ; R38.1@22337.85,20882.07 22314.85,20882.07
UART_RING: CON12.58 R14.2 | length 4998.3
  TOP w6: v1(22509.19,24235.57) 22509.19,24186.57 22509.51,24186.25 CON12.58@22509.51,24137.98 ; v1(22612.85,23715.57) 23142.85,23715.57 23352.85,23925.57 24227.85,23925.57 24467.85,24165.57 24467.85,24331.57 24483.85,24347.57 v1(24483.85,24384.57) ; v1(24587.85,26012.57) 24556.35,26044.07 R14.2@24556.35,26080.57 24556.35,26099.57 24554.59,26101.34 24554.59,26181.83 24771.12,26181.83
  BOTTOM w6: v1(24483.85,24384.57) 24483.85,25771.57 24587.85,25875.57 v1(24587.85,26012.57)
  BOTTOM w7: v1(22509.19,24235.57) 22509.19,24192.8 22547.85,24154.14 22547.85,23910.57 22612.85,23845.57 v1(22612.85,23715.57)
UH_DM2: CON10.22 U8.40 | length 2687.2
  TOP w8: v3(21407.85,22690.57) 21392.85,22675.57 21392.85,22523.96 21669.55,22247.26 21706.24,22210.57 21762.85,22210.57 21842.85,22130.57 21842.85,21445.57 21882.85,21405.57 21936.24,21405.57 21987.66,21354.15 21987.66,21292.76 22040.64,21239.78 U8.40@22096.12,21239.78 ; CON10.22@21728.01,23080.88 21769.83,23080.88 21773.17,23077.54 21798.88,23077.54 21823.85,23052.57 21823.85,22911.57 v3(21840.85,22894.57)
  BOTTOM w8: v3(21407.85,22690.57) 21395.43,22702.99 21395.43,22734.76 21435.24,22774.57 21735.24,22774.57 21824.85,22864.19 21824.85,22878.57 v3(21840.85,22894.57)
UH_DM3: CON10.19 CON14.2 R120.2 | length 3253.4
  TOP w6: CON14.2@21012.35,25493.47 21046.1,25459.72 21047.45,25461.07 21220.35,25461.07 21226.35,25467.07 ; R120.2@21226.35,25490.57 21226.35,25467.07 ; v3(21260.79,25308.15) 21247.85,25321.08 21247.85,25348.01 21255.41,25355.57 21283.41,25355.57 21323.85,25396.01 21323.85,25435.13 21298.41,25460.57 21231.35,25460.57 21226.35,25465.57 21226.35,25467.07 ; v3(21415.85,23072.32) 21430.61,23057.57 21582.91,23057.57 21583.91,23058.57 21584.41,23058.57 21589.41,23063.57 21607.53,23063.57 CON10.19@21609.9,23061.21
  BOTTOM w6: v3(21260.79,25308.15) 21241.85,25289.22 21241.85,24284.01 21133.85,24176.01 21133.85,23207.57 21283.85,23057.57 21401.1,23057.57 v3(21415.85,23072.32)
UH_DP2: CON10.20 U8.41 | length 2689.1
  TOP w8: v3(21365.2,22690.57) 21379.85,22675.91 21379.85,22518.57 21660.35,22238.07 21700.85,22197.57 21757.47,22197.57 21829.85,22125.19 21829.85,21440.19 21877.47,21392.57 21930.85,21392.57 21974.66,21348.76 21974.66,21287.38 22035.26,21226.78 22055.12,21226.78 22061.81,21220.1 U8.41@22096.12,21220.1 ; CON10.20@21728.01,23061.21 21769.83,23061.21 21773.17,23064.54 21793.5,23064.54 21810.85,23047.19 21810.85,22907.23 v3(21798.2,22894.57)
  BOTTOM w8: v3(21365.2,22690.57) 21382.43,22707.8 21382.43,22740.15 21429.85,22787.57 21729.85,22787.57 21811.85,22869.57 21811.85,22880.91 v3(21798.2,22894.57)
UH_DP3: CON10.17 CON14.3 R119.2 | length 3249
  TOP w6: CON14.3@21012.35,25414.97 21046.1,25448.72 21050.66,25448.72 21052.01,25450.07 21220.35,25450.07 21226.35,25444.07 ; v3(21220.28,25308.15) 21236.85,25324.72 21236.85,25352.57 21250.85,25366.57 21278.85,25366.57 21312.85,25400.57 21312.85,25430.57 21293.85,25449.57 21231.35,25449.57 21226.35,25444.57 21226.35,25444.07 ; R119.2@21226.35,25420.57 21226.35,25444.07 ; v3(21415.85,23031.82) 21430.6,23046.57 21578.85,23046.57 21583.91,23041.51 CON10.17@21609.9,23041.51
  BOTTOM w6: v3(21220.28,25308.15) 21230.85,25297.58 21230.85,24288.57 21122.85,24180.57 21122.85,23203.01 21279.3,23046.57 21401.1,23046.57 v3(21415.85,23031.82)
V_BKCOIN: C128.1 CON12.70 CON12.72 R13.1 | length 3011.7
  TOP w10: CON12.72@22371.71,24137.98 22371.71,24198.71 22366.85,24203.57 v2(22366.85,24226.57) 22391.4,24202.02 CON12.70@22391.4,24137.98
  TOP w15: C128.1@22273.85,24348.07 22273.85,24322.57 22295.85,24300.57 22327.85,24300.57 22366.85,24261.57 v2(22366.85,24226.57)
  TOP w20: v2(21782.85,22060.57) 21787.85,22055.57 R13.1@21787.85,22012.07 ; v4(22047.85,22060.57) 22047.85,22660.57 22276.85,22889.57 22276.85,23684.73 22402.85,23810.73 v1(22402.85,23890.57)
  BOTTOM w20: v2(21782.85,22060.57) v4(22047.85,22060.57) ; v2(22366.85,24226.57) 22402.85,24190.57 v1(22402.85,23890.57)
VDD1V8_EXT: C56.1 C57.1 C58.1 C80.1 C102.1 C103.1 CON12.1 CON12.3 CON12.5 CON16.1 CON16.2 J41.1 Q1.3 R14.1 R15.1 R16.1 R17.1 R18.1 R24.3 R56.2 R60.2 R61.2 R62.2 R67.1 R68.1 R69.1 R70.1 R71.1 R75.2 R86.1 R150.1 U9.1 U9.31 U9.42 U10.8 U10.10 U12.1 U12.26 U17.3 U28.3 U29.3 | length 23199.6
  TOP w10: v2(22737.85,25605.57) 22758.85,25605.57 22763.69,25600.73 U17.3@22837.81,25600.73 ; CON12.5@23021.32,24019.86 23021.32,23942.57 23029.32,23934.57 23067.85,23934.57 23041,23961.43 CON12.3@23041,24019.86 ; CON12.1@23060.69,24019.86 23060.69,23971.74 23092.85,23939.57 23097.85,23934.57 v4(23097.85,23930.57) ; C56.1@23127.85,24990.57 23158.85,24990.57 23192.85,24956.57 23213.85,24956.57 23222.85,24965.57 23222.85,25002.58 U12.1@23222.11,25003.33 ; U12.26@23714.23,25003.33 23714.23,25112.45 23718.85,25117.07 ; U10.8@23900.53,21090.47 23900.53,21075.47 23915.43,21060.57 23971.87,21060.57 24009.95,21098.66 ; U10.10@23933.99,21143.62 23964.99,21143.62 24009.95,21098.66 ; Q1.3@23968.35,26546.82 23989.1,26546.82 24007.42,26565.13 v1(24007.42,26565.57) ; R150.1@24092.85,26234.07 C103.1@24172.85,26234.07 ; 24158.13,21026.85 24135.85,21004.57 24090.85,21004.57 24032.85,21062.57 24032.85,21075.76 24009.95,21098.66 ; v1(24237.85,26449.12) 24237.85,26310.57 24217.85,26290.57 24217.85,26258.07 24193.85,26234.07 C103.1@24172.85,26234.07 ; U29.3@24237.89,26100.4 24264.1,26100.4 24277.85,26114.15 24277.85,26147.57 24264.85,26160.57 v2(24177.85,26160.57) 24177.85,26207.57 24172.85,26212.57 C103.1@24172.85,26234.07 ; U28.3@24238.09,26510.41 24268.41,26510.41 24277.57,26519.57 v1(24277.57,26574) 24277.57,26615.29 24311.35,26649.07 C102.1@24332.85,26649.07
  TOP w12: U9.31@22139.58,25007.93 v2(22139.58,25098.84) ; U9.42@22356.13,25007.93 22356.13,25068.84 22362.85,25075.57 v2(22362.85,25100.57) ; U9.1@22474.24,25303.21 22474.24,25249.19 v2(22492.85,25230.57) 22592.85,25230.57 22607.85,25245.57 C58.1@22607.85,25289.07 22631.35,25289.07 22665.53,25323.25 22985.18,25323.25 v2(23002.85,25305.57) ; v2(22737.85,25605.57) 22737.85,25681.57 22747.85,25691.57 C80.1@22747.85,25714.07 ; R68.1@24158.13,21057.83 R69.1@24158.13,21107.83 R70.1@24158.13,21157.83 R71.1@24158.13,21207.83 24158.13,21229.83 24158.35,21230.06 R67.1@24158.35,21255.57 R75.2@24158.35,21303.57
  TOP w15: J41.1@20568.48,23335.22 21048.84,23815.57 21726.35,23815.57 21872.85,23669.07 v1(21872.85,23645.57) ; R56.2@21368.35,26428.57 21375.35,26421.57 v2(21414.85,26421.57) ; v2(22422.85,23440.57) 22422.85,23635.57 22563.35,23776.07 22943.35,23776.07 v4(23097.85,23930.57) ; v1(23492.85,24590.57) 23523.04,24590.57 23602.85,24670.39 R86.1@23602.85,24694.39 ; R68.1@24158.13,21057.83 24158.13,21026.85 24394.41,20790.57 24507.85,20790.57 24709.43,20589 R24.3@24709.43,20479.57 ; R75.2@24158.35,21303.57 24158.85,21303.57 24188.85,21333.57 24188.85,21471.57 24272.85,21555.57 v2(24272.85,21720.57) ; R62.2@24371.35,22675.57 24370.85,22675.57 24337.85,22642.57 24337.85,22558.57 24370.85,22525.57 R61.2@24371.35,22525.57 R60.2@24371.35,22450.57 24371.35,22427.07 24332.85,22388.57 24332.85,22225.57 24577.85,21980.57 v2(24577.85,21755.57)
  TOP w20: v2(21715.91,26121.23) 21744.91,26121.23 21749.24,26125.57 v2(22267.85,26125.57) v2(22532.85,26125.57) ; 23067.85,23934.57 23087.85,23934.57 v4@23092.85,23939.57 ; C56.1@23130.54,24992.26 23131.42,24992.26 23133.23,24990.45 C56.1@23133.23,24985.19 ; v4(23157.98,24930.7) 23133.23,24955.45 C56.1@23133.23,24985.19 ; C57.1@23822.85,25053.07 C57.1@23822.85,25053.57 ; R62.2@24371.35,22675.57 24371.35,22685.57 24377.85,22692.07 24377.85,22692.2 24387.23,22701.57 24387.35,22701.57 24396.35,22710.57 24598.81,22710.57 24610.48,22698.9 CON16.1@24658.48,22698.9 CON16.2@24737.22,22698.9 ; R18.1@24589.35,24475.57 24594.35,24470.57 v1(24647.85,24470.57) ; R17.1@24589.35,24875.57 24615.85,24875.57 24620.85,24870.57 v1(24647.85,24870.57) ; R16.1@24589.35,25280.57 v1(24647.85,25280.57) ; R15.1@24589.35,25670.57 24615.85,25670.57 24620.85,25665.57 v1(24647.85,25665.57) ; R14.1@24589.35,26080.57 24615.85,26080.57 24620.85,26075.57 v1(24647.85,26075.57) ; v2(24647.85,25050.57) 24037.85,25050.57 23972.85,25115.57 23872.85,25115.57 23822.85,25065.57 C57.1@23822.85,25053.57 ; C56.1@23133.23,24985.19 C56.1@23127.85,24990.57 23127.85,24992.57 23177.85,25042.57 23177.85,25070.57 23224.35,25117.07 23718.85,25117.07 23759.35,25117.07 C57.1@23822.85,25053.57
  TOP w30: v4(23097.85,23930.57) 23534.57,24367.29 23543.57,24367.29 v4(23571.85,24395.57)
  BOTTOM w10: v1(24007.42,26565.57) 24028.42,26565.57 24036.85,26574 v1(24277.57,26574) 24237.85,26534.28 v1(24237.85,26449.12) ; v2(24177.85,26160.57) 24236.85,26160.57 24321.85,26075.57 v1(24647.85,26075.57)
  BOTTOM w12: v2(22139.58,25098.84) 22164.58,25098.84 22166.31,25100.57 v2(22362.85,25100.57) 22380.53,25118.25 22405.53,25118.25 22492.85,25205.57 v2(22492.85,25230.57) ; v2(22267.85,26125.57) 22422.85,26280.57 22422.85,26610.57 22227.85,26805.57 22147.85,26805.57 22032.85,26920.57 22032.85,27145.57 22102.85,27215.57 22102.85,27270.57 22202.85,27270.57 22302.85,27270.57 22402.85,27270.57
  BOTTOM w15: v1(21872.85,23645.57) 21932.85,23645.57 22137.85,23440.57 v2(22422.85,23440.57) ; v2(24272.85,21720.57) 24457.85,21720.57 24492.85,21755.57 v2(24577.85,21755.57)
  BOTTOM w20: v2(21414.85,26421.57) 21694.68,26141.74 21695.4,26141.74 v2(21715.91,26121.23) ; v2(22532.85,26125.57) 22737.85,25920.57 v2(22737.85,25605.57) 22827.85,25515.57 22942.85,25515.57 23002.85,25455.57 v2(23002.85,25305.57) 23047.85,25260.57 23047.85,25040.83 v4(23157.98,24930.7) ; v1(24647.85,24470.57) v1(24647.85,24870.57) v2(24647.85,25050.57) v1(24647.85,25280.57) v1(24647.85,25665.57) v1(24647.85,26075.57)
  BOTTOM w30: v4(23097.85,23930.57) 23097.85,23160.57 23512.85,22745.57 24172.85,22745.57 24192.85,22765.57 24591.81,22765.57 CON16.1@24658.48,22698.9 ; v4(23157.98,24930.7) 23186.27,24902.41 23186.27,24902.16 23470.93,24617.49 23470.93,24612.49 v1(23492.85,24590.57) 23571.85,24511.57 v4(23571.85,24395.57)
VDD12_5M: CON12.7 CON12.9 | length 101.7
  TOP w10: CON12.9@22981.95,24019.86 22981.95,23981.48 22987.85,23975.57 22996.34,23975.57 23001.63,23980.86 CON12.7@23001.63,24019.86
VDD18_A31: CON10.33 J40.12 | length 2585.7
  TOP w12: v1(21522.85,23225.57) 21549.43,23198.99 CON10.33@21609.9,23198.99
  BOTTOM w6: J40.12@20568.48,21884.94 20608.22,21924.68 20722.85,21924.68
  BOTTOM w12: 20722.85,21924.68 20966.96,21924.68 21007.85,21965.57 21007.85,22170.57 21537.85,22700.57 21757.85,22700.57 21907.85,22850.57 21907.85,23000.57 21698.41,23210.01 21538.41,23210.01 v1(21522.85,23225.57)
VDD18_CAM: C101.1 CON12.6 CON12.8 J27.11 | length 2624.3
  TOP w8: CON12.8@23001.63,24137.98 23001.63,24195.35 23012.85,24206.57 23021.32,24198.11 CON12.6@23021.32,24137.98
  TOP w15: 23012.85,24206.57 23043.85,24237.57 23300.96,24237.57 v2(23488.41,24425.02) ; v2(23521.38,23828.81) 24164.62,23828.81 24404.35,23589.07 C101.1@24404.35,23565.57 24452.85,23565.57 24556.91,23461.52 J27.11@24658.48,23461.52
  BOTTOM w15: v2(23488.41,24425.02) 23488.41,23861.78 v2(23521.38,23828.81)
VDD28_AF: C99.1 CON12.2 CON12.4 J27.13 | length 2682.6
  TOP w8: CON12.4@23041,24137.98 23041,24180.72 23055.85,24195.57 23060.69,24190.74 CON12.2@23060.69,24137.98
  TOP w15: 23055.85,24195.57 23297.85,24195.57 v2(23527.85,24425.57) ; v2(23527.85,23755.57) 24052.85,23755.57 24337.85,23470.57 24387.85,23470.57 24404.35,23454.07 C99.1@24404.35,23440.57 24492.85,23440.57 24550.65,23382.78 J27.13@24658.48,23382.78
  BOTTOM w15: v2(23527.85,23755.57) 23562.85,23790.57 23562.85,24357.19 23527.85,24392.19 v2(23527.85,24425.57)
VDD28_CAM: C100.1 CON12.10 CON12.12 J27.12 | length 2934
  TOP w6: v1(24592.85,23422.52) 24698.22,23422.52 J27.12@24737.22,23461.52
  TOP w8: CON12.12@22962.26,24137.98 22962.26,24193.98 22968.85,24200.57 22979.85,24200.57 22981.95,24202.67 CON12.10@22981.95,24137.98
  TOP w15: 22981.95,24202.67 22981.95,24226.67 23035.85,24280.57 23305.07,24280.57 v2(23446.46,24421.96) ; v2(23517.85,23790.57) 24102.85,23790.57 24362.85,23530.57 24393.35,23530.57 24404.35,23519.57 C100.1@24404.35,23500.57 24472.85,23500.57 24550.91,23422.52 v1(24592.85,23422.52)
  BOTTOM w6: v1(24592.85,23422.52) 24698.22,23422.52 J27.12@24737.22,23461.52
  BOTTOM w15: v2(23446.46,24421.96) 23446.46,23861.96 v2(23517.85,23790.57)
VDD33_A31: CON11.1 CON11.2 J40.19 J41.19 | length 4694.8
  TOP w8: 23587.85,23651.75 23587.85,23655.57 23602.85,23670.57 23687.44,23670.57 23706.26,23651.75 CON11.1@23743.76,23651.75
  TOP w10: 23587.85,23651.75 CON11.2@23625.65,23651.75
  TOP w20: J40.19@20647.22,22199.9 20797.89,22350.57 21007.85,22350.57 v1(21237.85,22120.57) ; v2(22612.85,23155.57) 22612.85,23490.57 22662.85,23540.57 23312.85,23540.57 23432.85,23660.57 23579.03,23660.57 23587.85,23651.75
  BOTTOM w20: J41.19@20568.48,22626.56 20568.48,22459.94 20647.22,22381.2 J40.19@20647.22,22199.9 ; v1(21237.85,22120.57) 21477.85,22120.57 22212.85,22855.57 22212.85,23005.57 22362.85,23155.57 v2(22612.85,23155.57)
VDD33_LCD: C79.1 CON11.79 CON11.80 U17.7 | length 3606.6
  TOP w10: C79.1@22897.85,25715.57 22897.85,25644.84 22922.29,25620.41 ; v2(22947.85,25435.57) 22947.85,25500.57 22907.85,25540.57 22907.85,25605.98 22922.29,25620.41 ; U17.7@22957.89,25620.41 22922.29,25620.41 ; CON11.80@23625.65,22884.04 23679.39,22884.04 CON11.79@23743.76,22884.04
  TOP w12: 23679.39,22884.04 v2(23732.85,22830.57)
  BOTTOM w12: v2(22947.85,25435.57) 22947.85,25285.57 23002.85,25230.57 23002.85,25010.57 23392.85,24620.57 23392.85,23145.57 23357.85,23110.57 23357.85,23025.57 23507.85,22875.57 23687.85,22875.57 v2(23732.85,22830.57)
VDD50_EN: CON10.73 R2.2 | length 5700.2
  TOP w6: v1(21541.85,23630.57) 21579.73,23592.69 CON10.73@21609.9,23592.69 ; v1(22447.85,23400.57) 22462.85,23415.57 22462.85,23620.57 22577.85,23735.57 23137.85,23735.57 23372.85,23970.57 24212.85,23970.57 24432.85,24190.57 v1(24432.85,24375.57) ; v1(24397.85,25915.57) 24317.85,25995.57 24317.85,26070.57 24338.35,26091.07 24338.35,26171.07 24382.85,26215.57 24382.85,26246.07 24403.85,26267.07 R2.2@24422.85,26267.07
  BOTTOM w6: v1(21541.85,23630.57) 21555.85,23616.57 21926.85,23616.57 22142.85,23400.57 v1(22447.85,23400.57) ; v1(24397.85,25915.57) 24437.85,25875.57 24437.85,24399.57 24432.85,24394.57 v1(24432.85,24375.57)
VDD_ETHNET_1.8: C38.1 C39.1 R43.1 U8.3 U8.10 | length 2172.5
  TOP w6: 22063.85,20877.07 22068.85,20882.07
  TOP w10: C38.1@22087.85,20882.07 22087.85,20916.57 22168.96,20997.67 U8.3@22168.96,21048.84
  TOP w12: R43.1@21479.35,20735.57 21507.85,20735.57 21647.85,20595.57 22281.85,20595.57 22423.85,20737.57 v1(22423.85,20775.57) 22423.85,20874.57 22431.35,20882.07 C39.1@22447.85,20882.07 22447.85,20914.57 22412.85,20949.57 22354.85,20949.57 22306.75,20997.67 U8.10@22306.75,21048.84 ; v1(22063.85,20775.57) 22063.85,20877.07 ; 22068.85,20882.07 C38.1@22087.85,20882.07
  BOTTOM w12: v1(22063.85,20775.57) v1(22423.85,20775.57)
VDD_TF: C41.1 C42.1 CON10.31 J1.4 R53.2 R54.2 R55.2 R57.2 R58.2 | length 3680.5
  TOP w8: 21534.6,23179.31 CON10.31@21609.9,23179.31
  TOP w15: J1.4@21142.42,26226.91 21254.7,26226.91 21281.35,26253.57 C42.1@21316.85,26253.57 ; v2(21367.47,23226.19) 21442.24,23226.19 21489.11,23179.31 21534.6,23179.31 ; R58.2@21368.35,26378.57 R57.2@21368.35,26328.57 21368.35,26303.07 21318.85,26253.57 C42.1@21316.85,26253.57 ; v2(21382.85,25980.57) 21368.35,25995.07 R53.2@21368.35,26028.57 R54.2@21368.35,26078.57 R55.2@21368.35,26128.57 21361.85,26135.07 21361.85,26142.57 21336.35,26168.07 C41.1@21336.35,26191.57 21316.85,26211.07 C42.1@21316.85,26253.57
  BOTTOM w15: v2(21367.47,23226.19) 21337.85,23255.81 21337.85,24465.57 21382.85,24510.57 v2(21382.85,25980.57)

## Text inside footprints (layer, text, board x,y; h text height)
U9: PIN_NUMBER "47" at 22434.54,25007.94 h25 r180; PIN_NUMBER "37" at 22237.69,25007.94 h25 r180; PIN_NUMBER "25" at 22001.47,25007.94 h25 r180; PIN_NUMBER "24" at 22001.47,25303.21 h25 r180; PIN_NUMBER "48" at 22454.24,25007.94 h25 r180; PIN_NUMBER "39" at 22277.06,25007.94 h25 r180; PIN_NUMBER "45" at 22395.17,25007.94 h25 r180; PIN_NUMBER "28" at 22060.53,25007.94 h25 r180; PIN_NUMBER "34" at 22178.65,25007.94 h25 r180; PIN_NUMBER "21" at 22060.53,25303.21 h25 r180; PIN_NUMBER "10" at 22277.06,25303.21 h25 r180; PIN_NUMBER "4" at 22405.17,25303.21 h25 r180; PIN_NUMBER "15" at 22178.65,25303.21 h25 r180; PIN_NUMBER "2" at 22444.54,25303.21 h25 r180; PIN_NUMBER "46" at 22414.87,25007.94 h25 r180; PIN_NUMBER "38" at 22257.38,25007.94 h25 r180; PIN_NUMBER "43" at 22355.8,25007.94 h25 r180; PIN_NUMBER "36" at 22218.01,25007.94 h25 r180; PIN_NUMBER "41" at 22316.43,25007.94 h25 r180; PIN_NUMBER "40" at 22296.76,25007.94 h25 r180; PIN_NUMBER "32" at 22139.28,25007.94 h25 r180; PIN_NUMBER "33" at 22158.95,25007.94 h25 r180; PIN_NUMBER "42" at 22336.13,25007.94 h25 r180; PIN_NUMBER "31" at 22119.58,25007.94 h25 r180; PIN_NUMBER "1" at 22464.24,25303.21 h25 r180; PIN_NUMBER "29" at 22080.21,25007.94 h25 r180; PIN_NUMBER "5" at 22385.5,25303.21 h25 r180; PIN_NUMBER "11" at 22257.38,25303.21 h25 r180; PIN_NUMBER "9" at 22306.76,25303.21 h25 r180; PIN_NUMBER "17" at 22139.28,25303.21 h25 r180; PIN_NUMBER "18" at 22119.58,25303.21 h25 r180; PIN_NUMBER "7" at 22346.13,25303.21 h25 r180; PIN_NUMBER "27" at 22040.84,25007.94 h25 r180; PIN_NUMBER "23" at 22021.17,25303.21 h25 r180; PIN_NUMBER "26" at 22021.17,25007.94 h25 r180; PIN_NUMBER "22" at 22040.84,25303.21 h25 r180; PIN_NUMBER "30" at 22099.9,25007.94 h25 r180; PIN_NUMBER "19" at 22099.9,25303.21 h25 r180; PIN_NUMBER "13" at 22218.01,25303.21 h25 r180; PIN_NUMBER "8" at 22326.43,25303.21 h25 r180; PIN_NUMBER "6" at 22365.8,25303.21 h25 r180; PIN_NUMBER "12" at 22237.69,25303.21 h25 r180; PIN_NUMBER "16" at 22158.95,25303.21 h25 r180; PIN_NUMBER "35" at 22198.32,25007.94 h25 r180; PIN_NUMBER "14" at 22198.32,25303.21 h25 r180; PIN_NUMBER "20" at 22080.21,25303.21 h25 r180; PIN_NUMBER "3" at 22424.87,25303.21 h25 r180; PIN_NUMBER "44" at 22375.5,25007.94 h25 r180